# Altium PCB Control_PCB_v1.0.PcbDoc (part 1 of 2) (continued)
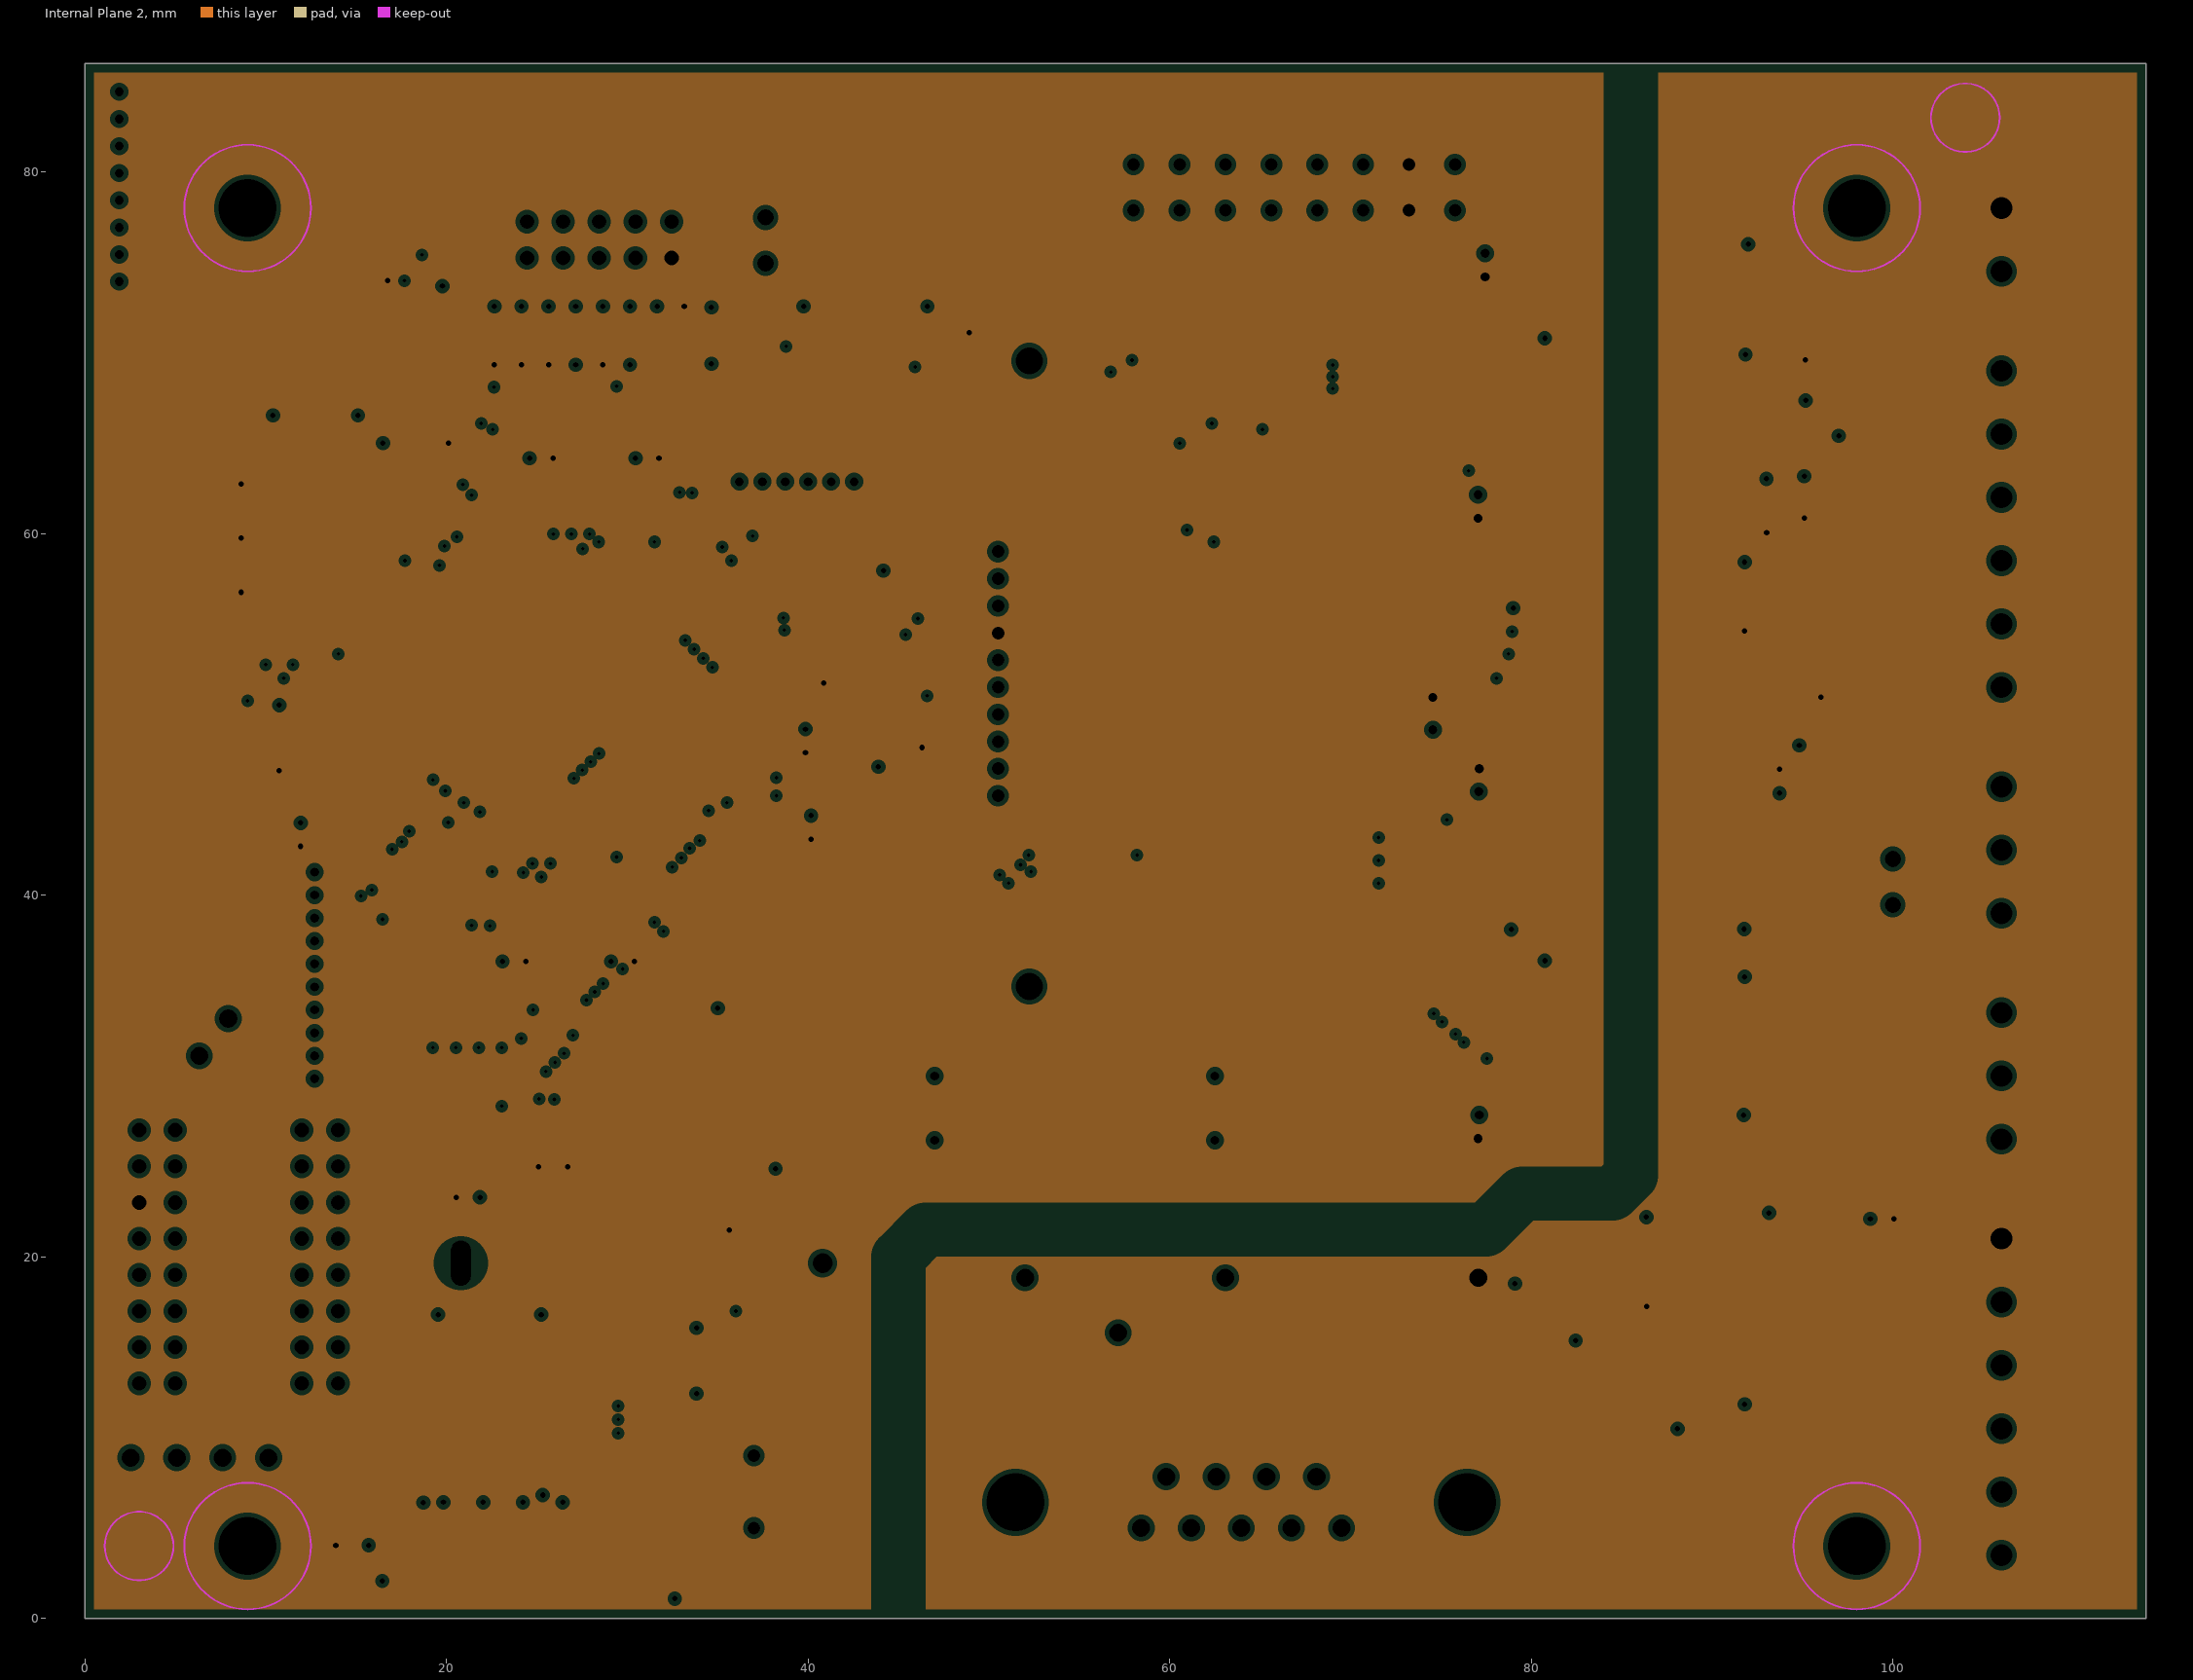
[diagram p3: Internal Plane 2, clearances drawn from the general rule]
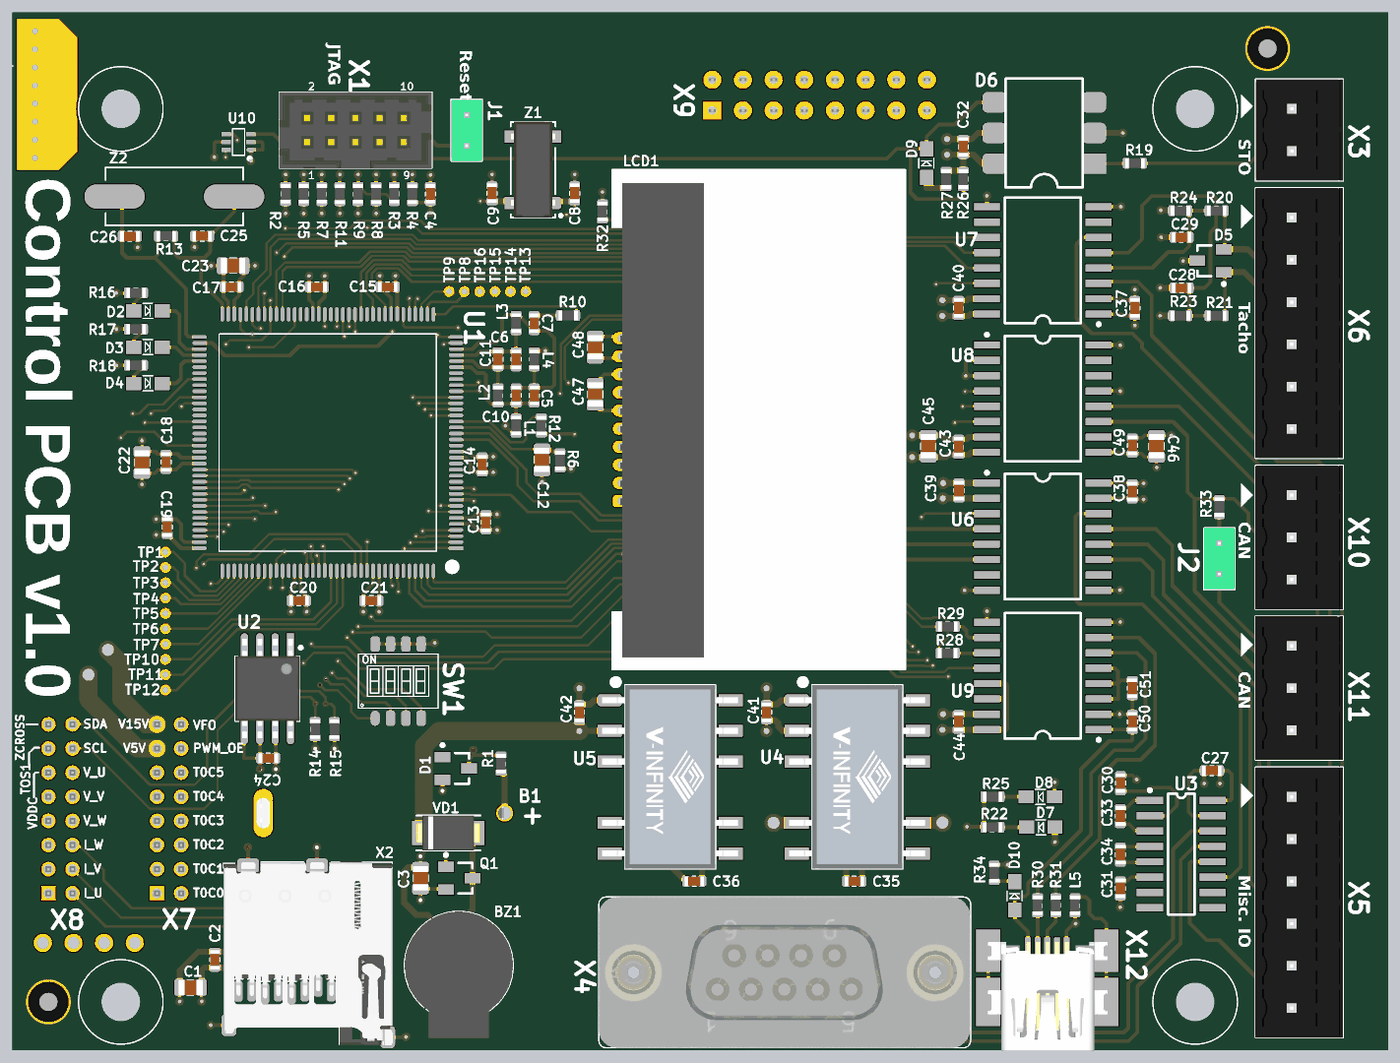
[diagram p5: 3D render of the assembled board from above, using the file's embedded part models]
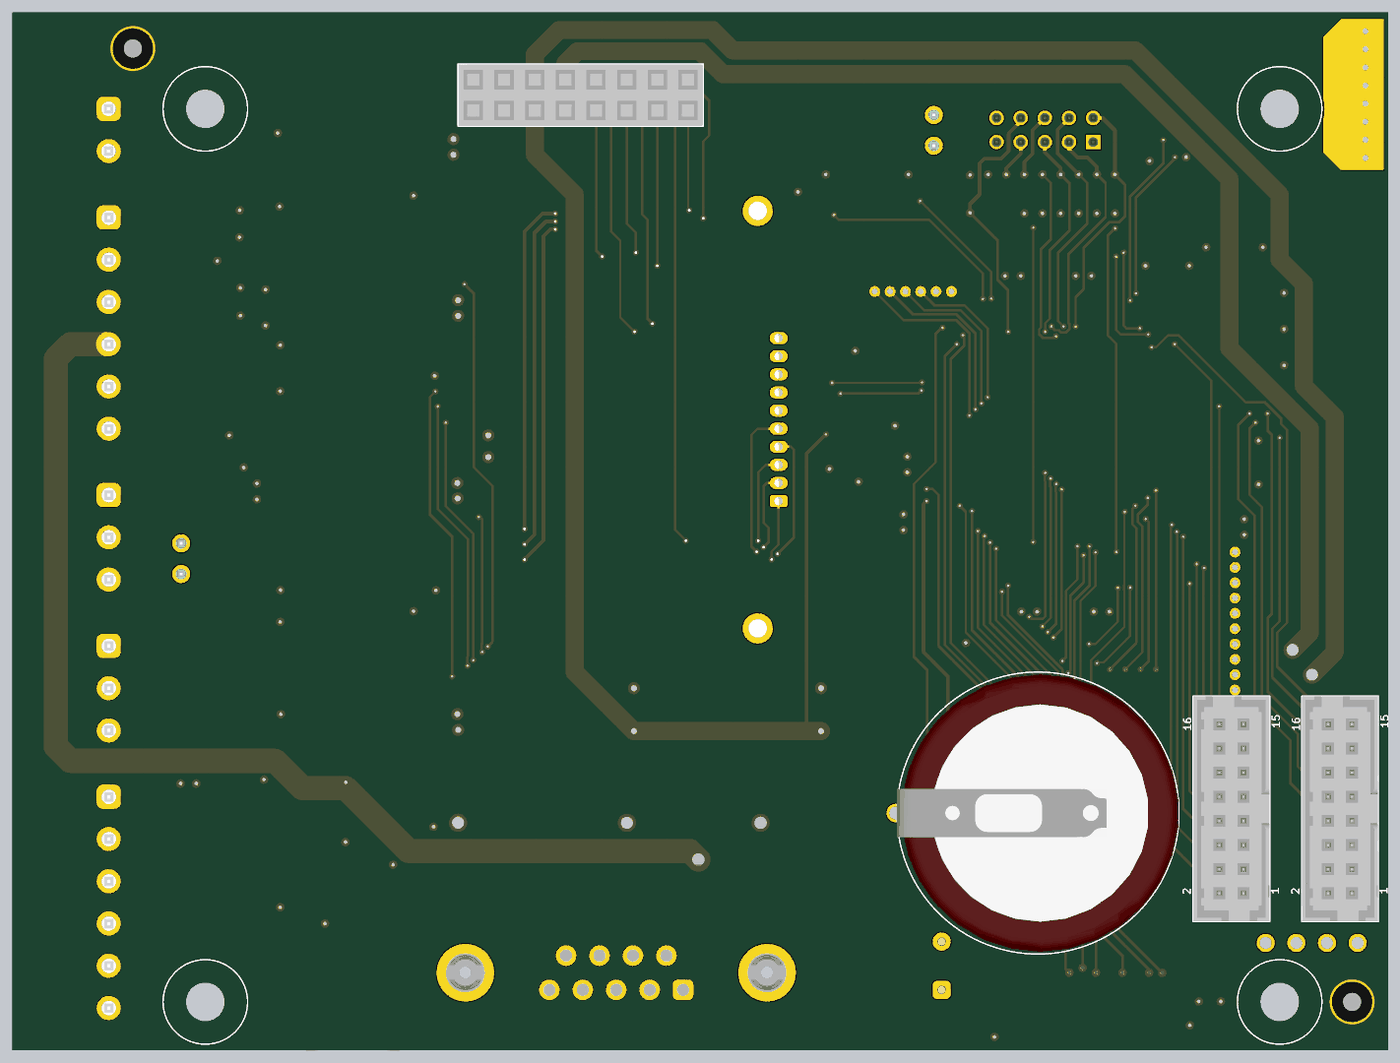
[diagram p6: 3D render of the assembled board from below, using the file's embedded part models]

## Layer stack, top to bottom
Top Solder: solder mask 0.0102, Solder Resist, Dk 3.5
Top Layer: signal copper 0.0356
Dielectric1: prepreg 0.36, FR-4, Dk 4.8
Internal Plane 1: plane copper 0.0356
Dielectric2: core 0.71, FR-4, Dk 4.8
Internal Plane 2: plane copper 0.0356
Dielectric3: prepreg 0.36, FR-4, Dk 4.8
Bottom Layer: signal copper 0.0356
Bottom Solder: solder mask 0.0102, Solder Resist, Dk 3.5

## Board outline
0,0 114,0 114,86 0,86

## Design rules (kind name [scope] priority, off if disabled: settings)
Clearance [All] p1: gap=0.15 ignorepadtopadclearanceinfootprint=FALSE except(0: Arc-Hole Track-Hole SMDPad-Hole THPad-Hole Via-Hole Fill-Hole Poly-Hole Region-Hole Text-Hole)
HoleSize [All] p1: absolutevalues=TRUE maxlimit=5 minlimit=0.2 maxpercent=80.000 minpercent=20.000
MinimumSolderMaskSliver [All] p1: minsoldermaskwidth=0
PlaneClearance PlaneClearance_1 [InComponent('B1')] p1: clearance=0.35
PlaneClearance [All] p2: clearance=0.25
PlaneConnect [All] p1: planeconnectstyle=Relief reliefexpansion=0.2 reliefentries=4 reliefconductorwidth=0.3 reliefairgap=0.17
PolygonConnect [All] p1: connectstyle=Direct reliefconductorwidth=0.254 reliefentries=4 polygonreliefangle="90 Angle" airgapwidth=0.2
RoutingVias [All] p1: holewidth=0.2 width=0.5 viastyle="Through Hole" minholewidth=0.2 minwidth=0.5 maxholewidth=1 maxwidth=1.5
SilkToSilkClearance [All] p1: silktosilkclearance=0
SilkToSolderMaskClearance [IsPad] p1: minsilkscreentomaskgap=0 clearancetoexposedcopper=TRUE
SolderMaskExpansion [All] p1: expansion=0.102 istentingtop=FALSE
Width [All] p1: maxlimit=5 minlimit=0.15 preferedwidth=0.3
24 further rules are at their usual default settings.

## Components (designator, comment, footprint, x,y, rotation, side; value= is the part's Value field where it differs from the comment)
B1 "VL2320-1HF" "SANYO ML2430" 30.8,19.65 r0 bottom locked
BZ1 "CST-951RP-A" CST-951RP-A 37,5 r90 top
C1 "C2012X5R1C106K085AC" 2012[0805] 14.827,5.207 r0 top
C2 "CL10B104KA8NNND" 1608[0603] 16.8,7.5 r270 top
C3 "C2012X5R1C106K085AC" 2012[0805] 33.827,14.3 r90 top
C4 "CL10B104KA8NNND" 1608[0603] 34.65,70.95 r90 top
C5 "CL10B104KA8NNND" 1608[0603] 43.25,54.25 r90 top
C6 "CL10B104KA8NNND" 1608[0603] 41.75,57.25 r270 top
C7 "CL10B104KA8NNND" 1608[0603] 43.25,60.25 r270 top
C8 "CC0603JRNPO9BN150" 1608[0603] 46.6,71 r90 top
C9 "CC0603JRNPO9BN150" 1608[0603] 39.75,71 r90 top
C10 "CL10B103JB8NNNC" 1608[0603] 41.75,54.25 r90 top
C11 "CL10B103JB8NNNC" 1608[0603] 40.25,57.25 r270 top
C12 "C2012X5R1C106K085AC" 2012[0805] 43.884,48.866 r270 top
C13 "CL10B104KA8NNND" 1608[0603] 39.25,43.75 r270 top
C14 "CL10B104KA8NNND" 1608[0603] 38.938,48.532 r270 top
C15 "CL10B104KA8NNND" 1608[0603] 31.1,63.25 r0 top
C16 "CL10B104KA8NNND" 1608[0603] 25.25,63.25 r0 top
C17 "CL10B104KA8NNND" 1608[0603] 18.161,63.25 r0 top
C18 "CL10B104KA8NNND" 1608[0603] 12.75,48.75 r270 top
C19 "CL10B104KA8NNND" 1608[0603] 12.85,43.35 r270 top
C20 "CL10B104KA8NNND" 1608[0603] 23.75,37.25 r0 top
C21 "CL10B104KA8NNND" 1608[0603] 29.75,37.25 r0 top
C22 "C2012X5R1C106K085AC" 2012[0805] 10.75,48.75 r90 top
C23 "C2012X5R1C106K085AC" 2012[0805] 18.25,65 r180 top
C24 "CL10B104KA8NNND" 1608[0603] 21.2,24.2 r0 top
C25 "CCPF010K0603" 1608[0603] 15.75,67.45 r180 top
C26 "CCPF010K0603" 1608[0603] 9.75,67.45 r0 top
C27 "CL10B104KA8NNND" 1608[0603] 99.39,23.165 r180 top
C28 "CL10B104KA8NNND" 1608[0603] 96.868,63.161 r0 top
C29 "CL10B104KA8NNND" 1608[0603] 96.868,67.361 r0 top
C30 "CL10B104KA8NNND" 1608[0603] 91.821,22.123 r90 top
C31 "CL10B104KA8NNND" 1608[0603] 91.8,13.4 r90 top
C32 "CL10B104KA8NNND" 1608[0603] 78.791,74.854 r270 top
C33 "CL10B104KA8NNND" 1608[0603] 91.8,19.4 r90 top
C34 "CL10B104KA8NNND" 1608[0603] 91.8,16.2 r90 top
C35 "CL10B104KA8NNND" 1608[0603] 69.75,14 r0 top
C36 "CL10B104KA8NNND" 1608[0603] 56.5,14 r0 top
C37 "CL10B104KA8NNND" 1608[0603] 93,61.5 r90 top
C38 "CL10B104KA8NNND" 1608[0603] 92.8,46.3 r270 top
C39 "CL10B104KA8NNND" 1608[0603] 78.435,46.38 r270 top
C40 "CL10B104KA8NNND" 1608[0603] 78.4,61.5 r90 top
C41 "CL10B104KA8NNND" 1608[0603] 62.5,28 r270 top
C42 "CL10B104KA8NNND" 1608[0603] 47,28 r270 top
C43 "CL10B104KA8NNND" 1608[0603] 78.4,50 r90 top
C44 "CL10B104KA8NNND" 1608[0603] 78.4,27.2 r90 top
C45 "C2012X5R1C106K085AC" 2012[0805] 75.9,50 r270 top
C46 "C2012X5R1C106K085AC" 2012[0805] 94.8,50 r270 top
C47 "CVUF001K0805" 2012[0805] 48.3,54.4 r90 top
C48 "CVUF001K0805" 2012[0805] 48.3,58.3 r90 top
C49 "CL10B104KA8NNND" 1608[0603] 92.8,50.1 r90 top
C50 "CL10B104KA8NNND" 1608[0603] 92.8,27.2 r90 top
C51 "CL10B104KA8NNND" 1608[0603] 92.8,30 r270 top
D1 "BAT54C" SOT23 35.65,24.3 r270 top
D2 "SML-211UTT86" "0805 LED" 11.25,61.25 r0 top
D3 "SML-211UTT86" "0805 LED" 11.25,58.25 r0 top
D4 "SML-211UTT86" "0805 LED" 11.25,55.25 r0 top
D5 "ESDA6V1L" SOT23 100.373,64.461 r90 top
D6 "H11L1SM" "DIP-6 SMD" 85.5,76 r90 top
D7 "SML-211UTT86" "0805 LED" 85.203,18.475 r180 top
D8 "SML-211UTT86" "0805 LED" 85.178,21 r180 top
D9 "SML-211UTT86" "0805 LED" 75.75,73.5 r90 top
D10 "SML-211UTT86" "0805 LED" 83.05,12.8 r90 top
Designator14 "Comment" HOLE_3MM 98,4 r0 top locked
Designator15 "Comment" HOLE_3MM 9,4 r0 top locked
Designator16 "Comment" HOLE_3MM 9,78 r0 top locked
Designator17 "Comment" HOLE_3MM 98,78 r0 top locked
FD1 "Comment" "FIDUCIAL ROUND" 3,4 r0 top
FD2 "Comment" "FIDUCIAL ROUND" 104,83 r0 top
J1 "PH1-02-TA-HT" HDR1X2V 37.65,74.95 r90 top
J2 "Jumper" HDR1X2V 100,42 r270 top
L1 "BLM18SG331TN1D" 0603 41.75,51.75 r90 top
L2 "BLM18SG331TN1D" 0603 40.25,54.25 r90 top
L3 "BLM18SG331TN1D" 0603 41.75,60.25 r270 top
L4 "BLM18SG331TN1D" 0603 43.25,57.25 r270 top
L5 "BLM18SG331TN1D" 0603 88.05,12 r90 top
LCD1 "NHD-C0216CZ-FSW-FBW-3V3" "DISPLAY NHD-C0216CZ-FSW-FBW-3V3" 50.5,59 r270 top
Q1 "IRLML6344TRPBF" SOT23 35.927,15.2 r270 top
R1 "RC0603FR-071KL" 0603 40.5,23.75 r270 top
R2 "ERJ-3EKF1002V" 0603 22.65,70.95 r90 top
R3 "ERJ-3EKF1000V" 0603 31.65,70.95 r90 top
R4 "ERJ-3EKF1002V" 0603 33.15,70.95 r270 top
R5 "ERJ-3EKF1002V" 0603 24.15,70.95 r90 top
R6 "RC0603JR-070RL" 0603 45.384,48.866 r270 top
R7 "ERJ-3EKF1002V" 0603 25.65,70.95 r90 top
R8 "ERJ-3EKF1002V" 0603 30.15,70.95 r270 top
R9 "ERJ-3EKF1002V" 0603 28.65,70.95 r90 top
R10 "RC0603JR-070RL" 0603 46.05,60.884 r0 top
R11 "ERJ-3EKF1002V" 0603 27.15,70.95 r270 top
R12 "RC0603JR-070RL" 0603 43.84,51.765 r270 top
R13 "RC0603FR-071ML" 0603 12.75,67.45 r0 top
R14 "RJ0603FRE074K7L" 0603 25.1,26.6 r90 top
R15 "RJ0603FRE074K7L" 0603 26.7,26.6 r90 top
R16 "CRCW0603510RFKEA" 0603 10.25,62.75 r0 top
R17 "CRCW0603510RFKEA" 0603 10.25,59.75 r0 top
R18 "CRCW0603510RFKEA" 0603 10.25,56.75 r0 top
R19 "CRCW0603510RFKEA" 0603 93,73.5 r0 top
R20 "ERJ-3EKF1000V" 0603 99.773,69.561 r0 top
R21 "ERJ-3EKF1000V" 0603 99.773,60.861 r0 top
R22 "RC0603FR-071KL" 0603 81.203,18.475 r0 top
R23 "ERJ-3EKF1002V" 0603 96.773,60.861 r0 top
R24 "ERJ-3EKF1002V" 0603 96.773,69.561 r0 top
R25 "RJ0603FRE074K7L" 0603 81.203,21 r0 top
R26 "ERJ-3EKF1002V" 0603 78.791,72.187 r270 top
R27 "CRCW0603510RFKEA" 0603 77.368,72.187 r270 top
R28 "RC0603FR-0724RL" 0603 77.5,32.9 r180 top
R29 "RC0603FR-0724RL" 0603 77.5,35.1 r0 top
R30 "RC0603FR-0724RL" 0603 84.95,12 r90 top
R31 "RC0603FR-0724RL" 0603 86.45,12 r270 top
R32 "RC0603FR-0724RL" 0603 48.9,69.5 r90 top
R33 "CRCW0603120RFKEA" 0603 100,45 r90 top
R34 "RJ0603FRE074K7L" 0603 81.35,14.7 r270 top
SW1 "MCDHN-04F-T-V" MCDHN-04F-T-V 31.979,30.582 r0 top
TP1 "TP 0.5 mm" "Test Point 0.5 mm" 12.7,41.275 r270 top
TP2 "TP 0.5 mm" "Test Point 0.5 mm" 12.7,40.005 r180 top
TP3 "TP 0.5 mm" "Test Point 0.5 mm" 12.7,38.735 r180 top
TP4 "TP 0.5 mm" "Test Point 0.5 mm" 12.7,37.465 r180 top
TP5 "TP 0.5 mm" "Test Point 0.5 mm" 12.7,36.195 r180 top
TP6 "TP 0.5 mm" "Test Point 0.5 mm" 12.7,34.925 r180 top
TP7 "TP 0.5 mm" "Test Point 0.5 mm" 12.7,33.655 r180 top
TP8 "TP 0.5 mm" "Test Point 0.5 mm" 37.465,62.865 r90 top
TP9 "TP 0.5 mm" "Test Point 0.5 mm" 36.195,62.865 r90 top
TP10 "TP 0.5 mm" "Test Point 0.5 mm" 12.7,32.385 r90 top
TP11 "TP 0.5 mm" "Test Point 0.5 mm" 12.7,31.115 r90 top
TP12 "TP 0.5 mm" "Test Point 0.5 mm" 12.7,29.845 r90 top
TP13 "TP 0.5 mm" "Test Point 0.5 mm" 42.545,62.865 r180 top
TP14 "TP 0.5 mm" "Test Point 0.5 mm" 41.275,62.865 r90 top
TP15 "TP 0.5 mm" "Test Point 0.5 mm" 40.005,62.865 r90 top
TP16 "TP 0.5 mm" "Test Point 0.5 mm" 38.735,62.865 r90 top
U1 "MK60FN1M0VLQ12" LQFP144 26.15,50.35 r180 top locked
U2 "AT45DB021D-SH-B" "SO-8  wide" 21.15,29.95 r180 top
U3 "ST3232BDR" "R-16N, AnalogDev SO-16" 96.85,16.25 r270 top
U4 "VEFT1-S5-D5-SMT" VEFT1_Sx_Dx_SMT 65,29 r270 top
U5 "VEFT1-S5-S12-SMT-TR" VEFT1_Sx_Dx_SMT 49.5,29 r270 top
U6 "SI8440BB-D-IS" SO-G16/D10.4 80.75,47 r270 top
U7 "SI8440BB-D-IS" SO-G16/D10.4 90,61 r90 top
U8 "ADM3054BRWZ-RL7" SO-G16/D10.4 80.75,58.43 r270 top
U9 "ADUM3160BRWZ-RL" SO-G16/D10.4 90,26.57 r90 top
U10 "NC7SP58P6X" SOT363 18.75,75.25 r180 top
VD1 "15MQ040NTRPBF" SMA 36.127,18 r180 top
X1 "0878311020" "878311020 MGRID WALL HDR" 24.45,75.25 r0 top
X2 "2908-05WB-MG" 2908-05WB-MG 18.735,4.893 r0 top locked
X3 "MCV1.5/2-G-3.5" mcv1.5-2-g_3.5 106,78 r180 top
X4 "DB9V_1-1634222-2" "DB9 vertical" 69.5,5 r180 top
X5 "MCV1.5/6-G-3.5" mcv1.5-6-g_3.5 106,21 r180 top
X6 "MCV 1,5/ 6-G-3,5" mcv1.5-6-g_3.5 106,69 r180 top
X7 "0878311620" "8x2, 2.00mm Pitch Milli-Grid™ Header, Molex" 12,13 r90 bottom locked
X8 "0878311620" "8x2, 2.00mm Pitch Milli-Grid™ Header, Molex" 3,13 r90 bottom locked
X9 "76342-308LF" 76342-308LF 58,80.41 r0 bottom locked
X10 "MCV 1,5/ 3-G-3,5" mcv1.5-3-g_3.5 106,46 r180 top
X11 "MCV 1,5/ 3-G-3,5" mcv1.5-3-g_3.5 106,33.5 r180 top
X12 "miniUSB Type AB" "USB AB 56579-0576 Molex" 85.75,2 r270 top
Z1 "CM200C32768DZBT" CM200S 43.15,72.95 r90 top
Z2 "ECS-80-18-5PX-TR" "Quartz Crystal SMU4" 13.437,70.739 r0 top

## Footprints (in the part's own frame and the unit in brackets; to place one, negate y for a bottom-side part, rotate by r counter-clockwise, add the part's x,y. Pads: shape width x height; smd on the part's side, far side on the other; paste and mask are expansions set on the pad)
"8x2, 2.00mm Pitch Milli-Grid™ Header, Molex" [mm]
  rect 1.2x1.2 hole 0.8: 1(0,0)
  round 1.2 hole 0.8: 2(0,2) 3(2,0) 4(2,2) 5(4,0) 6(4,2) 7(6,0) 8(6,2) 9(8,0) 10(8,2) 11(10,0) 12(10,2) 13(12,0) 14(12,2) 15(14,0) 16(14,2)
  silkscreen extent -2.32,-2.15 16.32,4.15, body extent -2.33,-2.15 16.32,4.15, height 6.42
0603 [mm] "Chip Resistor; Body 1.6 x 0.8 mm (LxW typ)"
  rrect50% 0.6x0.9 smd mask+0.06: 1(-0.7,0) 2(0.7,0)
  silkscreen extent -0.18,-0.35 0.18,0.35, body extent -0.79,-0.4 0.81,0.4, height 0.45
"0805 LED" [mm] "0805 LED"
  rect 1.25x1.1 smd: 1(-1.175,0) 2(1.175,0)
  silkscreen extent -0.41,-0.61 0.41,0.64, body extent -1.3,-0.6 1.3,0.6, height 1
1608[0603] [mm] "Chip Capacitor; Body 1.6 x 0.8 mm (LxW typ)"
  rrect50% 0.7x0.9 smd mask+0.05: 1(-0.65,0) 2(0.65,0)
  silkscreen extent -0.15,-0.41 0.15,0.41, body extent -0.79,-0.41 0.81,0.39, height 0.8
2012[0805] [mm] "Chip Capacitor; Body 2.0 x 1.2 mm (LxW typ)"
  rrect50% 0.9x1.4 smd mask+0.07: 1(-0.95,0) 2(0.85,0)
  silkscreen extent -0.33,-0.64 0.23,0.61, body extent -1.05,-0.64 0.95,0.62, height 1.25
2908-05WB-MG [mm]
  rrect50% 0.5x1.54 smd paste+0.1 mask+0.05: 1(7.706,0.016) 2(6.606,0.416) 3(5.506,0.016) 4(4.406,-0.184) 5(3.306,0.016) 6(2.206,-0.184) 7(1.106,0.016) 8(0,0)
  rrect50% 1.22x1.82 smd mask+0.05: 9(-0.774,-2.811) 10(12.376,-3.811)
  rrect50% 1.82x1.22 smd mask+0.05: 11(6.516,10.399) 12(0.816,10.399)
  silkscreen extent -1.23,-4.41 12.77,10.7, body extent -1.22,-4.5 12.78,10.75, height 1.85
76342-308LF [mm]
  rect 1.5x1.5 hole 0.7: 1(0,2.54)
  round 1.5 hole 0.7: 2(0,0) 3(2.54,2.54) 4(2.54,0) 5(5.08,2.54) 6(5.08,0) 7(7.62,2.54) 8(7.62,0) 9(10.16,2.54) 10(10.16,0) 11(12.7,2.54) 12(12.7,0) 13(15.24,2.54) 14(15.24,0) 15(17.78,2.54) 16(17.78,0)
  silkscreen extent -1.22,-1.27 19.02,3.81, body extent -1.22,-1.27 19.02,3.81, height 7.02
"878311020 MGRID WALL HDR" [mm]
  rect 1.2x1.2 hole 0.8: 1(0,0)
  round 1.2 hole 0.8: 2(0,2) 3(2,0) 4(2,2) 5(4,0) 6(4,2) 7(6,0) 8(6,2) 9(8,0) 10(8,2)
  silkscreen extent -2.32,-2.15 10.33,4.15, body extent -2.34,-2.16 10.31,4.14, height 6.4
CM200S [mm]
  rrect50% 1x1.7 smd: 1(-2.75,-1.5)
  rect 1x1.7 smd: 2(2.75,-1.5) 3(2.75,1.5) 4(-2.75,1.5)
  silkscreen extent -3.95,-2.4 3.95,1.85, body extent -3.99,-1.85 4.01,1.85, height 2.54
CST-951RP-A [mm] "Buzzer CST-951AP"
  rrect50% 1.5x1.5 hole 0.7: 1(0,0)
  round 1.5 hole 0.7: 2(4,0)
  silkscreen extent -2.5,-4.5 6.5,4.5, body extent -4,-4.5 6.5,4.5, height 4.5
"DB9 vertical" [mm] "D-Sub-Socket 9-Pole Solder Pin FP8,0"
  rrect50% 1.7x1.7 hole 1 mask+0.05: 1(11.08,0)
  round 1.7 hole 1 mask+0.05: 2(8.31,0) 3(5.54,0) 4(2.77,0) 5(0,0) 6(9.695,-2.84) 7(6.925,-2.84) 8(4.155,-2.84) 9(1.385,-2.84)
  round 4.76 hole 3.2: 10(18.035,-1.42) 11(-6.955,-1.42)
  silkscreen extent -9.9,-7.7 20.9,4.8, body extent -9.87,-7.71 20.93,4.84, height 12.5
"DIP-6 SMD" [mm] "DIP-6 SMD"
  rect 1.7x2 smd mask+0.05: 1(-2.54,-4.125)
  rrect50% 1.7x2 smd mask+0.05: 2(0,-4.125) 3(2.54,-4.125) 4(2.54,4.125) 5(0,4.125) 6(-2.54,4.125)